# Altium PCB PCB1.PcbDoc (part 3 of 5) (continued)
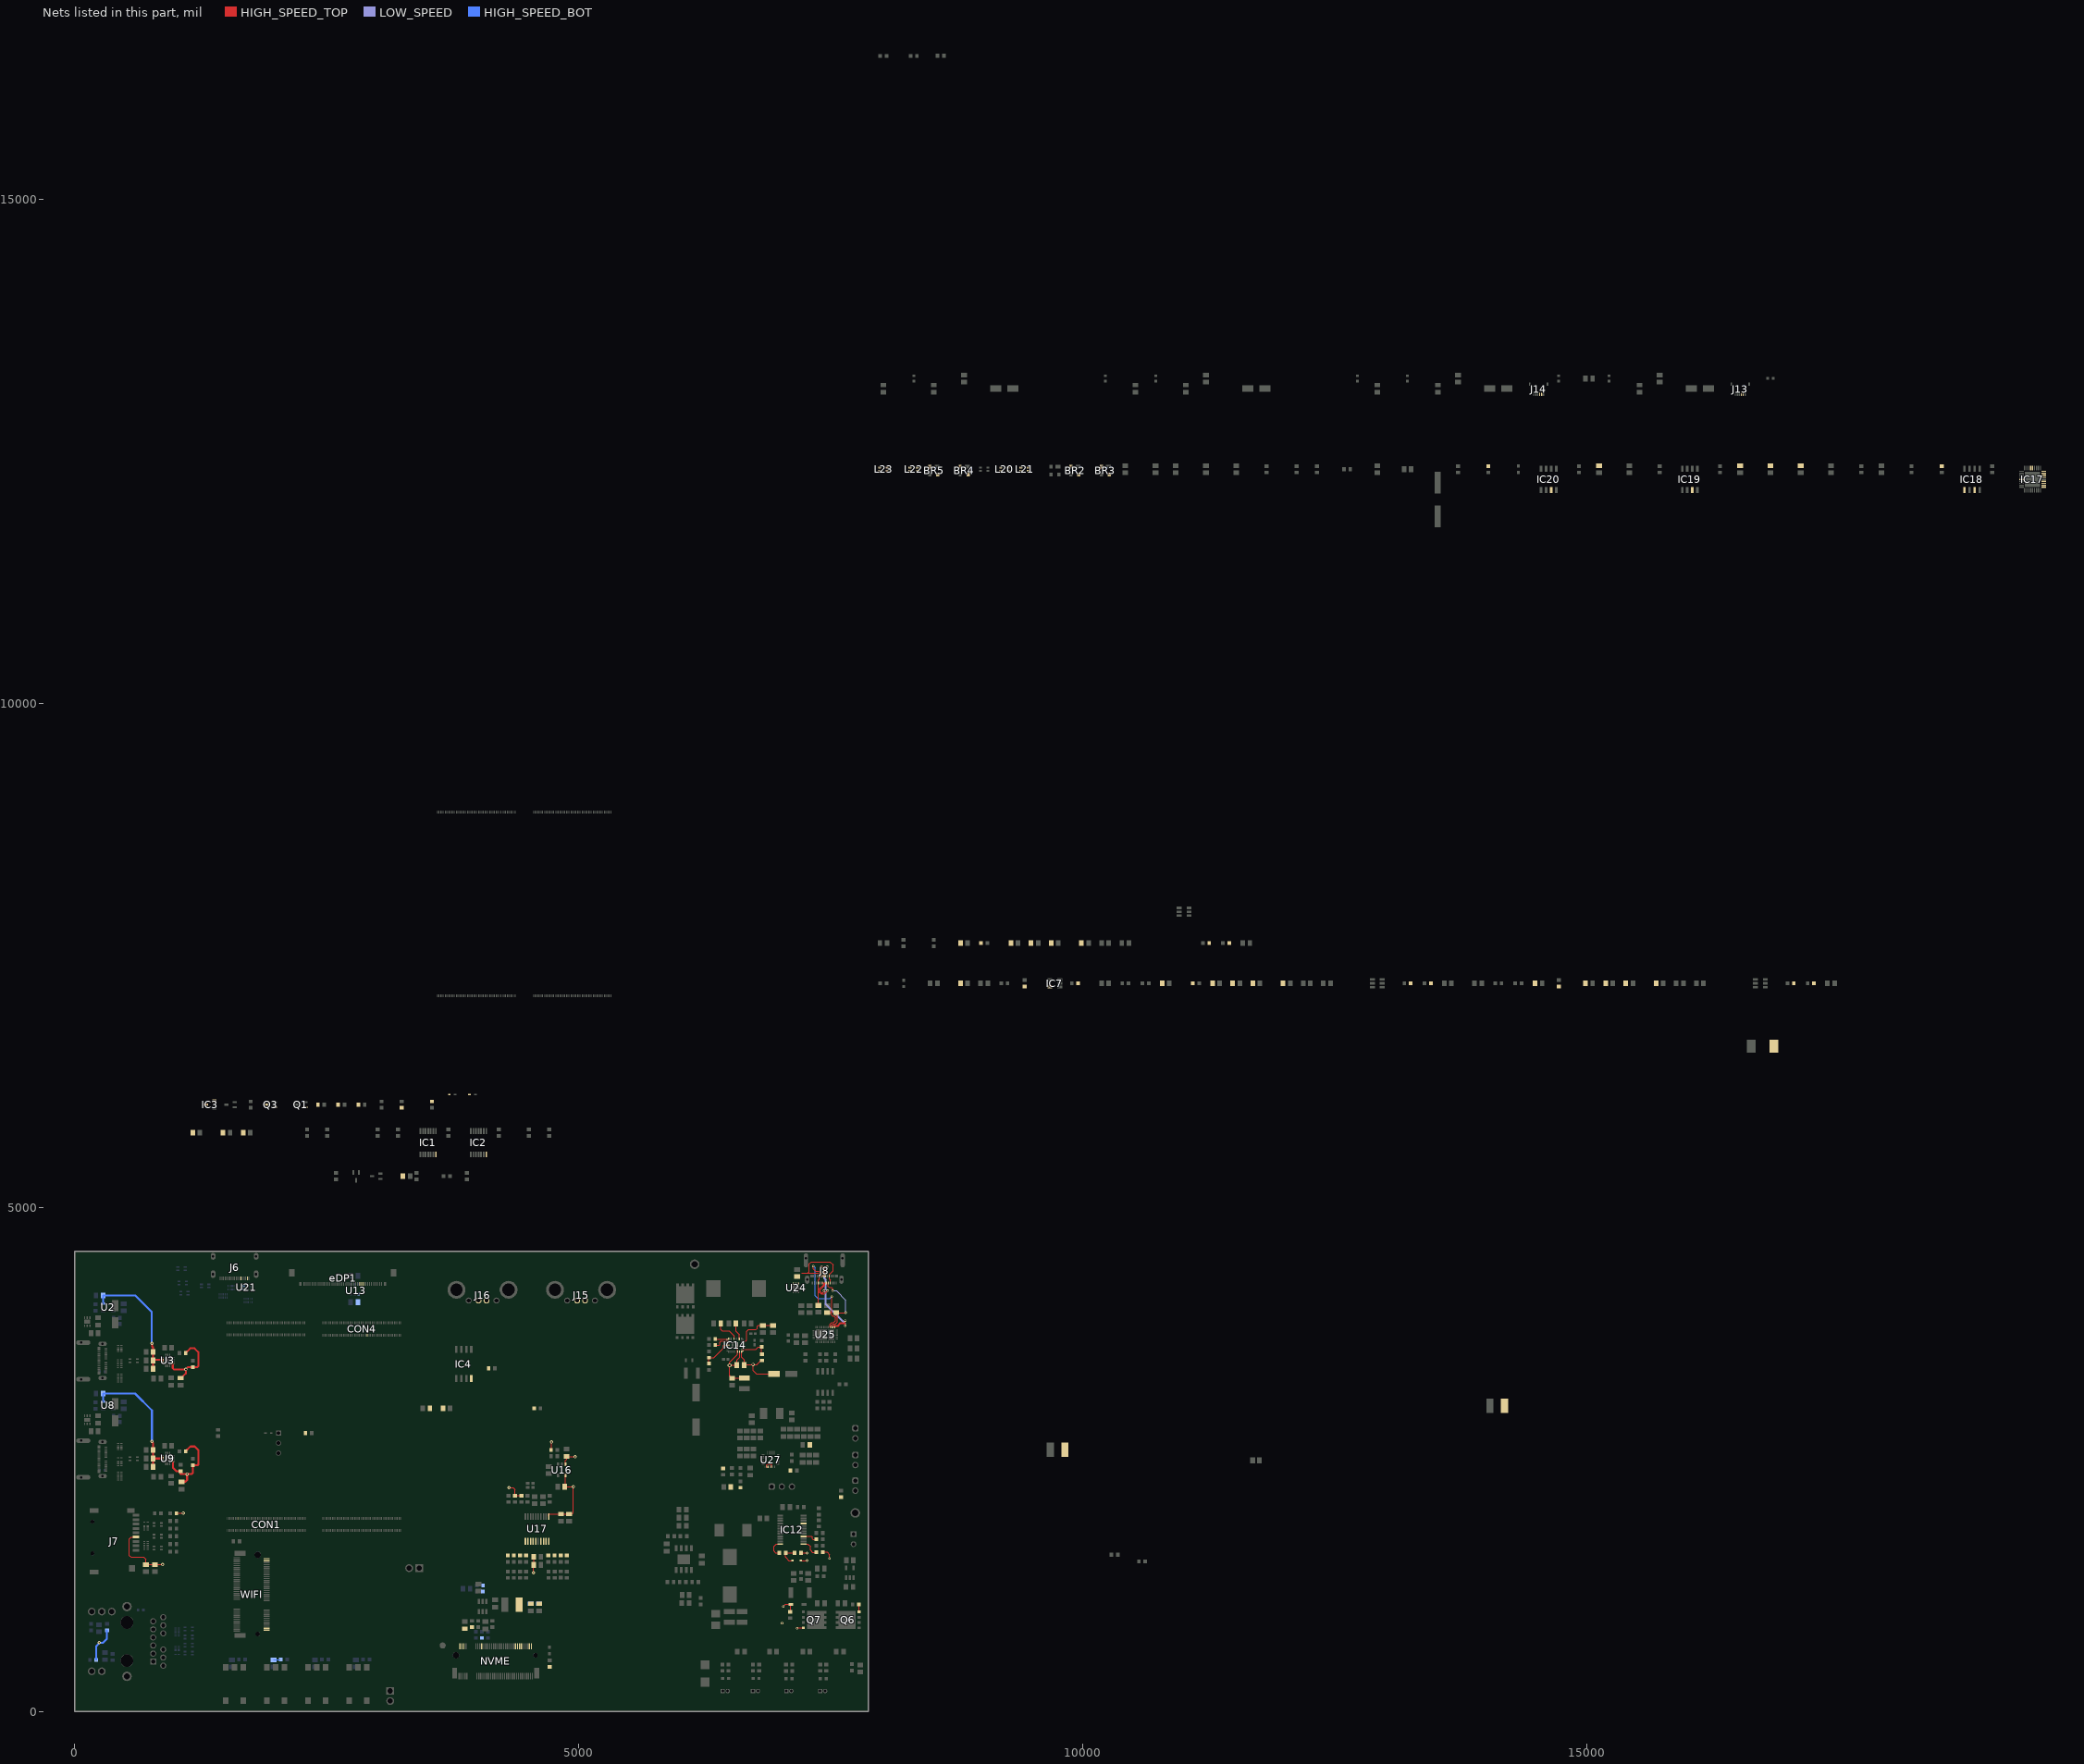
[diagram p9: the nets of this part, all layers, seen from the top]
## Part data (continued)
R113: library part ERJ-3EKF1373V, "137K Ohm 1% 1/10W Res Thick Film 0603 ±100ppm/°C SMD Punched Carrier T/R", Case Code (Imperial)=0603, Case Code (Metric)=1608, Manufacturer=Panasonic, Max Operating Temperature=155°C, Max Power Dissipation=100mW, Min Operating Temperature=-55°C, Mouser Part Number=667-ERJ-3EKF1373V, Package Quantity=1, Ratings=AEC-Q200, Resistance Tolerance=1%, Resistor Type="Thick Film", Supplier Part Number=P137KHCT-ND, Temperature Coefficient=100ppm/°C, Voltage Rating=75V, Voltage Rating (DC)=50V, Arrow Part Number=ERJ-3EKF1373V, Arrow Price/Stock=https://www.arrow.com/en/products/erj-3ekf1373v/panasonic, Case/Package=0603, Category="Chip SMD Resistors", ComponentLink1Description=https://datasheet.ciiva.com/3883/3984280s8821682n1386-3883650.pdf?src-supplier=Arrow+Electronics, ComponentLink1URL=https://datasheet.ciiva.com/3883/3984280s8821682n1386-3883650.pdf?src-supplier=Arrow+Electronics, ComponentLink2Description=https://datasheet.ciiva.com/9185/aoa0000ce2-9185790.pdf?src-supplier=Avnet, ComponentLink2URL=https://datasheet.ciiva.com/9185/aoa0000ce2-9185790.pdf?src-supplier=Avnet, ComponentLink3Description=https://datasheet.ciiva.com/16788/70260748-16788101.pdf?src-supplier=Allied+Electronics, ComponentLink3URL=https://datasheet.ciiva.com/16788/70260748-16788101.pdf?src-supplier=Allied+Electronics, ComponentLink4Description=https://datasheet.ciiva.com/16762/70260748-16762069.pdf?src-supplier=Allied+Electronics, ComponentLink4URL=https://datasheet.ciiva.com/16762/70260748-16762069.pdf?src-supplier=Allied+Electronics, ComponentLink5Description=https://datasheet.ciiva.com/28594/1678782-28594598.pdf?src-supplier=Element14, ComponentLink5URL=https://datasheet.ciiva.com/28594/1678782-28594598.pdf?src-supplier=Element14, ComponentLink6Description=https://datasheet.ciiva.com/28692/1678782-28692248.pdf?src-supplier=Element14, ComponentLink6URL=https://datasheet.ciiva.com/28692/1678782-28692248.pdf?src-supplier=Element14, ComponentLink7Description=https://datasheet.ciiva.com/46389/426256-46389183.pdf?src-supplier=Element14, ComponentLink7URL=https://datasheet.ciiva.com/46389/426256-46389183.pdf?src-supplier=Element14, Contact Plating=Tin, Datasheet Link=http://industrial.panasonic.com/cdbs/www-data/pdf/RDA0000/AOA0000C86.pdf, Features="Automotive AEC-Q200", Height=0.55mm, Lead Free=5697LeadFree, Length=0.063inch, Manufacturer Part Number=ERJ-3EKF1373V, Manufacturer_Name=Panasonic, Manufacturer_Part_Number=ERJ-3EKF1373V, Mounting Technology="Surface Mount", Mouser Price/Stock=https://www.mouser.com/Search/Refine.aspx?Keyword=667-ERJ-3EKF1373V, Number of Terminations=2, Packaging="Tape and Reel", Power Rating=100mW, Pricing="1=0.1, 10=0.035, 100=0.0177, 1000=0.01014, 2500=0.00888 (USD)", Reach SVHC Compliant=No, RoHS=Yes, RoHS Compliant=Yes, Series=ERJ, Stock=786997, Supplier=Digikey, Termination=SMD/SMT, Tolerance=1%, Width=0.8mm
R115: library part ERJ-3GEYJ303V, "30K Ohm 5% 0.1W(1/10W) +/-200ppm/ßC Res Thick Film 0603  SMD Automotive T/R", Case Code (Imperial)=0603, Case Code (Metric)=1608, Manufacturer=Panasonic, Max Operating Temperature=155°C, Max Power Dissipation=100mW, Min Operating Temperature=-55°C, Mouser Part Number=667-ERJ-3GEYJ303V, Package Quantity=1, Resistance Tolerance=5%, Resistor Type="Thick Film", Supplier Part Number=P30KGCT-ND, Temperature Coefficient=200ppm/°C, Voltage Rating=75V, Case/Package=0603, Category="Chip SMD Resistors", ComponentLink1Description=https://datasheet.ciiva.com/11821/0900766b80f806dd-11821446.pdf?src-supplier=Rs, ComponentLink1URL=https://datasheet.ciiva.com/11821/0900766b80f806dd-11821446.pdf?src-supplier=Rs, ComponentLink2Description=https://datasheet.ciiva.com/5917/1500035-5917845.pdf?src-supplier=Farnell, ComponentLink2URL=https://datasheet.ciiva.com/5917/1500035-5917845.pdf?src-supplier=Farnell, ComponentLink3Description=https://datasheet.ciiva.com/43460/1500035-43460749.pdf?src-supplier=Farnell, ComponentLink3URL=https://datasheet.ciiva.com/43460/1500035-43460749.pdf?src-supplier=Farnell, ComponentLink4Description=https://datasheet.ciiva.com/46387/1500035-46387151.pdf?src-supplier=Element14, ComponentLink4URL=https://datasheet.ciiva.com/46387/1500035-46387151.pdf?src-supplier=Element14, ComponentLink5Description=https://datasheet.ciiva.com/30079/4aoa0000ce1-30079549.pdf?src-supplier=Onlinecomponents.com, ComponentLink5URL=https://datasheet.ciiva.com/30079/4aoa0000ce1-30079549.pdf?src-supplier=Onlinecomponents.com, ComponentLink6Description=https://datasheet.ciiva.com/28676/1678796-28676989.pdf?src-supplier=Element14, ComponentLink6URL=https://datasheet.ciiva.com/28676/1678796-28676989.pdf?src-supplier=Element14, ComponentLink7Description=https://datasheet.ciiva.com/16769/70255313-16769897.pdf?src-supplier=Allied+Electronics, ComponentLink7URL=https://datasheet.ciiva.com/16769/70255313-16769897.pdf?src-supplier=Allied+Electronics, Construction=Rectangular, Contact Plating=Tin, Datasheet Link=http://docs-europe.electrocomponents.com/webdocs/13ba/0900766b813ba21b.pdf, Depth=0.8mm, Features="Automotive AEC-Q200", Height=0.55mm, Lead Free=5697LeadFree, Length=1.6mm, Manufacturer Part Number=ERJ-3GEYJ303V, Manufacturer_Name=Panasonic, Manufacturer_Part_Number=ERJ-3GEYJ303V, Military Standard=Not, Mounting Technology="Surface Mount", Mouser Price/Stock=https://www.mouser.co.uk/ProductDetail/Panasonic/ERJ-3GEYJ303V?qs=4WZYzuGhm5oupAe5agOIlw%3D%3D, Number of Terminations=2, Packaging="Tape and Reel", Power Rating=100mW, Pricing="1=0.1, 10=0.033, 50=0.02, 100=0.0165, 500=0.01096, 1000=0.00939 (USD)", Reach SVHC Compliant=No, RoHS=Yes, RoHS Compliant=Yes, Series=ERJ, Stock=293565, Supplier=Digikey, Technology="THICK FILM", Termination=SMD/SMT, Tolerance=5%, Voltage Rating (DC)=75V, Width=0.8mm
R116: library part ERJ-3EKF5231V, "5.23K Ohm 1% 1/10W Res Thick Film 0603+/-100ppm/ßC Molded SMD Punched Carrier T/R", Case Code (Imperial)=0603, Case Code (Metric)=1608, Manufacturer=Panasonic, Max Operating Temperature=155°C, Max Power Dissipation=100mW, Min Operating Temperature=-55°C, Mouser Part Number=667-ERJ-3EKF5231V, Package Quantity=1, Resistance Tolerance=1%, Resistor Type="Thick Film", Supplier Part Number=P5.23KHCT-ND, Temperature Coefficient=100ppm/°C, Voltage Rating=75V, Voltage Rating (DC)=50V, Arrow Part Number=ERJ-3EKF5231V, Arrow Price/Stock=https://www.arrow.com/en/products/erj-3ekf5231v/panasonic, Case/Package=0603, Category="Chip SMD Resistors", ComponentLink1Description=https://datasheet.ciiva.com/5972/426256-5972876.pdf?src-supplier=Farnell, ComponentLink1URL=https://datasheet.ciiva.com/5972/426256-5972876.pdf?src-supplier=Farnell, ComponentLink2Description=https://datasheet.ciiva.com/43460/426256-43460517.pdf?src-supplier=Farnell, ComponentLink2URL=https://datasheet.ciiva.com/43460/426256-43460517.pdf?src-supplier=Farnell, ComponentLink3Description=https://datasheet.ciiva.com/9117/aoa0000ce2-9117166.pdf?src-supplier=Avnet, ComponentLink3URL=https://datasheet.ciiva.com/9117/aoa0000ce2-9117166.pdf?src-supplier=Avnet, ComponentLink4Description=https://datasheet.ciiva.com/28685/1678782-28685340.pdf?src-supplier=Element14, ComponentLink4URL=https://datasheet.ciiva.com/28685/1678782-28685340.pdf?src-supplier=Element14, ComponentLink5Description=https://datasheet.ciiva.com/46389/426256-46389320.pdf?src-supplier=Element14, ComponentLink5URL=https://datasheet.ciiva.com/46389/426256-46389320.pdf?src-supplier=Element14, ComponentLink6Description=https://datasheet.ciiva.com/24027/aoa0000ce2-24027445.pdf?src-supplier=Mouser, ComponentLink6URL=https://datasheet.ciiva.com/24027/aoa0000ce2-24027445.pdf?src-supplier=Mouser, ComponentLink7Description=https://datasheet.ciiva.com/16788/70260748-16788534.pdf?src-supplier=Allied+Electronics, ComponentLink7URL=https://datasheet.ciiva.com/16788/70260748-16788534.pdf?src-supplier=Allied+Electronics, ComponentLink8Description=https://datasheet.ciiva.com/16763/70260748-16763706.pdf?src-supplier=Allied+Electronics, ComponentLink8URL=https://datasheet.ciiva.com/16763/70260748-16763706.pdf?src-supplier=Allied+Electronics, Construction=Rectangular, Contact Plating=Tin, Datasheet Link=http://industrial.panasonic.com/cdbs/www-data/pdf/RDA0000/AOA0000C86.pdf, Depth=0.8mm, Features="Automotive AEC-Q200", Height=0.55mm, Lead Free="Lead Free", Length=1.6mm, Manufacturer Part Number=ERJ-3EKF5231V, Manufacturer_Name=Panasonic, Manufacturer_Part_Number=ERJ-3EKF5231V, Military Standard=Not, Mounting Technology="Surface Mount", Mouser Price/Stock=https://www.mouser.co.uk/ProductDetail/Panasonic/ERJ-3EKF5231V?qs=LRVwtJ3DVIAOCclJH%2FYgYQ%3D%3D, Number of Terminations=2, Packaging="Tape and Reel", Power Rating=100mW, Pricing="1=0.1, 10=0.035, 100=0.0177, 1000=0.01014, 2500=0.00847 (USD)", Radiation Hardening=No, Reach SVHC Compliant=No, RoHS=Yes, RoHS Compliant=Yes, Series=ERJ, Stock=72624, Supplier=Digikey, Termination=SMD/SMT, Tolerance=1%, Width=0.8mm
R122 R124: library part ERA-3ARW512V, "5.1K Ohm 0.05% 0.1W ±10ppm/°C Molded Res Thin Film 0603 SMD Punched Carrier T/R", Case Code (Imperial)=0603, Case Code (Metric)=1608, Manufacturer=Panasonic, Max Operating Temperature=155°C, Max Power Dissipation=100mW, Min Operating Temperature=-55°C, Mouser Part Number=667-ERA-3ARW512V, Package Quantity=1, Supplier Part Number=P5.1KBECT-ND, Temperature Coefficient=10ppm/°C, Tolerance=0.05%, Voltage Rating=75V, Case/Package=0603, Category="Chip SMD Resistors", ComponentLink1Description=https://media.digikey.com/pdf/Data%20Sheets/Panasonic%20Resistors%20Thermistors%20PDFs/ERA_Series_LE.pdf?src-supplier=Digikey, ComponentLink1URL=https://media.digikey.com/pdf/Data%20Sheets/Panasonic%20Resistors%20Thermistors%20PDFs/ERA_Series_LE.pdf?src-supplier=Digikey, ComponentLink2Description=http://www.onlinecomponents.com/datasheet/era-3arw512v.aspx?p=44480300&src-supplier=Onlinecomponents.com, ComponentLink2URL=http://www.onlinecomponents.com/datasheet/era-3arw512v.aspx?p=44480300&src-supplier=Onlinecomponents.com, ComponentLink3Description=http://www.alliedelec.com/m/d/b6b0537e86f421aa7f5975bb1d8f429a.pdf?src-supplier=Allied+Electronics, ComponentLink3URL=http://www.alliedelec.com/m/d/b6b0537e86f421aa7f5975bb1d8f429a.pdf?src-supplier=Allied+Electronics, ComponentLink4Description=http://uk.rs-online.com/webdocs/1440/0900766b814408ab.pdf?src-supplier=Rs, ComponentLink4URL=http://uk.rs-online.com/webdocs/1440/0900766b814408ab.pdf?src-supplier=Rs, ComponentLink5Description=http://www.mouser.com/ds/2/315/AOA0000C237-944224.pdf?src-supplier=Mouser, ComponentLink5URL=http://www.mouser.com/ds/2/315/AOA0000C237-944224.pdf?src-supplier=Mouser, ComponentLink6Description=https://industrial.panasonic.com/cdbs/www-data/pdf/RDM0000/AOA0000C307.pdf?src-supplier=Digikey, ComponentLink6URL=https://industrial.panasonic.com/cdbs/www-data/pdf/RDM0000/AOA0000C307.pdf?src-supplier=Digikey, ComponentLink7Description=http://industrial.panasonic.com/www-data/pdf/AOA0000/AOA0000CE26.pdf?src-supplier=Avnet, ComponentLink7URL=http://industrial.panasonic.com/www-data/pdf/AOA0000/AOA0000CE26.pdf?src-supplier=Avnet, ComponentLink8Description=https://datasheet.octopart.com/ERA-3ARW512V-Panasonic-datasheet-33006989.pdf?src-supplier=Electro+Sonic, ComponentLink8URL=https://datasheet.octopart.com/ERA-3ARW512V-Panasonic-datasheet-33006989.pdf?src-supplier=Electro+Sonic, ComponentLink9Description=https://datasheet.octopart.com/ERA-3ARW512V-Panasonic-datasheet-154766165.pdf?src-supplier=Master+Electronics, ComponentLink9URL=https://datasheet.octopart.com/ERA-3ARW512V-Panasonic-datasheet-154766165.pdf?src-supplier=Master+Electronics, Contact Plating=Tin, Datasheet Link=https://industrial.panasonic.com/cdbs/www-data/pdf/RDM0000/AOA0000C307.pdf, Depth=0.8mm, Features="Automotive AEC-Q200", Height=0.55mm, Lead Free="Lead Free", Length=1.6mm, Manufacturer Part Number=ERA-3ARW512V, Manufacturer_Name=Panasonic, Manufacturer_Part_Number=ERA-3ARW512V, Mounting Technology="Surface Mount", Mouser Price/Stock=https://www.mouser.co.uk/ProductDetail/Panasonic/ERA-3ARW512V?qs=ob%252BdNz2%252BYEinU%2F%252BGAvZ4EA%3D%3D, Number of Terminations=2, Packaging="Tape and Reel", Power Rating=100mW, Pricing="1=0.47, 10=0.394, 50=0.345, 100=0.3263, 500=0.28562, 1000=0.2461 (USD)", RoHS=Yes, RoHS Compliant=Yes, Series=ERA-3A, Stock=12588, Supplier=Digikey, Technology="METAL FILM", Termination=SMD/SMT, Voltage Rating (DC)=75V, Weight=7.1E-05oz, Width=0.8mm
R125 R172: library part ERJ-3GEYJ105V, "1M Ohm Res Thick Film 0603 5% 0.1W(1/10W) +/-200ppm/ßC SMD Automotive T/R", Case Code (Imperial)=0603, Case Code (Metric)=1608, Manufacturer=Panasonic, Max Operating Temperature=155°C, Max Power Dissipation=100mW, Min Operating Temperature=-55°C, Mouser Part Number=667-ERJ-3GEYJ105V, Package Quantity=1, Resistance Tolerance=5%, Resistor Type="Thick Film", Supplier Part Number=P1.0MGCT-ND, Temperature Coefficient=200ppm/°C, Voltage Rating=75V, Arrow Part Number=ERJ-3GEYJ105V, Arrow Price/Stock=https://www.arrow.com/en/products/erj-3geyj105v/panasonic?region=nac, Case/Package=0603, Category="Chip SMD Resistors", ComponentLink1Description=https://datasheet.ciiva.com/11821/0900766b80f806dd-11821431.pdf?src-supplier=Rs, ComponentLink1URL=https://datasheet.ciiva.com/11821/0900766b80f806dd-11821431.pdf?src-supplier=Rs, ComponentLink2Description=https://datasheet.ciiva.com/24160/aoa0000ce1-37422-24160165.pdf?src-supplier=Mouser, ComponentLink2URL=https://datasheet.ciiva.com/24160/aoa0000ce1-37422-24160165.pdf?src-supplier=Mouser, ComponentLink3Description=https://datasheet.ciiva.com/9117/aoa0000ce1-9117049.pdf?src-supplier=Avnet, ComponentLink3URL=https://datasheet.ciiva.com/9117/aoa0000ce1-9117049.pdf?src-supplier=Avnet, Construction=Rectangular, Contact Plating=Tin, Datasheet Link=http://docs-europe.electrocomponents.com/webdocs/13ba/0900766b813ba21b.pdf, Depth=0.8mm, Features="Automotive AEC-Q200", Height=0.55mm, Lead Free="Lead Free", Length=1.6mm, Manufacturer Part Number=ERJ-3GEYJ105V, Manufacturer_Name=Panasonic, Manufacturer_Part_Number=ERJ-3GEYJ105V, Military Standard=Not, Mounting Technology="Surface Mount", Mouser Price/Stock=https://www.mouser.co.uk/ProductDetail/Panasonic/ERJ-3GEYJ105V?qs=66DK8nO8gJAFuT6JGu2rQw%3D%3D, Number of Terminations=2, Packaging="Tape and Reel", Power Rating=100mW, Pricing="1=0.1, 10=0.033, 50=0.02, 100=0.0165, 500=0.01096, 1000=0.00939 (USD)", Radiation Hardening=No, Reach SVHC Compliant=Unknown, RoHS=Yes, RoHS Compliant=Yes, Series=ERJ, Stock=339054, Supplier=Digikey, Technology="THICK FILM", Termination=SMD/SMT, Tolerance=5%, Weight=7.1E-05oz, Width=0.8mm
R138: library part "Resistor 2010", "Package 2010", Arrow Part Number=CRCW20100000Z0EFHP, Manufacturer_Name=Vishay, Mouser Part Number=71-CRCW20100000Z0EFH, Arrow Price/Stock=https://www.arrow.com/en/products/crcw20100000z0efhp/vishay?region=nac, Datasheet Link=http://www.vishay.com/docs/20043/crcwhpe3.pdf, Height=0.7mm, Manufacturer_Part_Number=CRCW20100000Z0EFHP, Mouser Price/Stock=https://www.mouser.co.uk/ProductDetail/Vishay-Dale/CRCW20100000Z0EFHP?qs=k2%2FDWSARqgGSaNuPGbWcpw%3D%3D
R140: library part ERJ-U03J106V, "10Mohm 5%  SMD 0603   Anti-Sulfur AEC-Q200", Case Code (Imperial)=0603, Case Code (Metric)=1608, Current Rating=1A, Manufacturer=Panasonic, Max Operating Temperature=155°C, Min Operating Temperature=-55°C, Mouser Part Number=667-ERJ-U03J106V, Package Quantity=5000, Power Rating=100mW, Supplier Part Number=10-ERJ-U03J106VCT-ND, Tolerance=5%, Voltage Rating=75V, Case/Package=0603, Category="Chip SMD Resistors", ComponentLink1Description=https://datasheet.ciiva.com/24170/ras-erj-u-267552-24170485.pdf?src-supplier=Mouser, ComponentLink1URL=https://datasheet.ciiva.com/24170/ras-erj-u-267552-24170485.pdf?src-supplier=Mouser, Datasheet Link=http://industrial.panasonic.com/cdbs/www-data/pdf/RDP0000/AOA0000C334.pdf, Height=0.55mm, Length=1.6mm, Manufacturer Part Number=ERJ-U03J106V, Manufacturer_Name=Panasonic, Manufacturer_Part_Number=ERJ-U03J106V, Mouser Price/Stock=https://www.mouser.co.uk/ProductDetail/Panasonic/ERJ-U03J106V?qs=pdFhdcvjjgjSJSqKhYCfQg%3D%3D, Packaging="Tape and Reel", Pricing="1=0.11, 10=0.053, 50=0.0336, 100=0.0282, 500=0.0197, 1000=0.01726 (USD)", RoHS=Yes, Series=ERJ-U03, Stock=15102, Supplier=Digikey, Termination=SMD/SMT, Weight=7.1E-05oz, Width=0.8mm
R141: library part ERJ-3GEYJ305V, "3M Ohm 5% 1/10W Res Thick Film 0603 -400ppm/", Case Code (Imperial)=0603, Case Code (Metric)=1608, Manufacturer=Panasonic, Max Operating Temperature=155°C, Max Power Dissipation=100mW, Min Operating Temperature=-55°C, Mouser Part Number=667-ERJ-3GEYJ305V, Package Quantity=1, Resistance Tolerance=5%, Resistor Type="Thick Film", Supplier Part Number=P3.0MGCT-ND, Temperature Coefficient=150ppm/°C, Voltage Rating=75V, Case/Package=0603, Category="Chip SMD Resistors", ComponentLink1Description=https://datasheet.ciiva.com/43460/1500035-43460793.pdf?src-supplier=Farnell, ComponentLink1URL=https://datasheet.ciiva.com/43460/1500035-43460793.pdf?src-supplier=Farnell, ComponentLink2Description=https://datasheet.ciiva.com/24124/aoa0000ce1-37422-24124297.pdf?src-supplier=Mouser, ComponentLink2URL=https://datasheet.ciiva.com/24124/aoa0000ce1-37422-24124297.pdf?src-supplier=Mouser, ComponentLink3Description=https://datasheet.ciiva.com/46377/1500035-46377147.pdf?src-supplier=Element14, ComponentLink3URL=https://datasheet.ciiva.com/46377/1500035-46377147.pdf?src-supplier=Element14, ComponentLink4Description=https://datasheet.ciiva.com/30248/4aoa0000ce1-30248491.pdf?src-supplier=Onlinecomponents.com, ComponentLink4URL=https://datasheet.ciiva.com/30248/4aoa0000ce1-30248491.pdf?src-supplier=Onlinecomponents.com, ComponentLink5Description=https://datasheet.ciiva.com/28693/1678796-28693385.pdf?src-supplier=Element14, ComponentLink5URL=https://datasheet.ciiva.com/28693/1678796-28693385.pdf?src-supplier=Element14, ComponentLink6Description=https://datasheet.ciiva.com/16767/70255313-16767708.pdf?src-supplier=Allied+Electronics, ComponentLink6URL=https://datasheet.ciiva.com/16767/70255313-16767708.pdf?src-supplier=Allied+Electronics, ComponentLink7Description=https://datasheet.ciiva.com/16788/70255313-16788695.pdf?src-supplier=Allied+Electronics, ComponentLink7URL=https://datasheet.ciiva.com/16788/70255313-16788695.pdf?src-supplier=Allied+Electronics, Construction=Rectangular, Contact Plating=Tin, Datasheet Link=http://docs-europe.electrocomponents.com/webdocs/13ba/0900766b813ba21b.pdf, Depth=0.8mm, Features="Automotive AEC-Q200", Height=0.55mm, Length=1.6mm, Manufacturer Part Number=ERJ-3GEYJ305V, Manufacturer_Name=Panasonic, Manufacturer_Part_Number=ERJ-3GEYJ305V, Military Standard=Not, Mounting Technology="Surface Mount", Number of Terminations=2, Packaging="Tape and Reel", Power Rating=100mW, Pricing="1=0.1, 10=0.033, 50=0.0202, 100=0.0166, 500=0.01102, 1000=0.00944 (USD)", Reach SVHC Compliant=No, RoHS=Yes, RoHS Compliant=Yes, Series=ERJ, Stock=29466, Supplier=Digikey, Technology="THICK FILM", Termination=SMD/SMT, Tolerance=5%, Weight=7.1E-05oz, Width=0.8mm
R142: library part ERJ-3EKF4703V, "470K Ohm 1% 0.1W  Res Thick Film 0603 ±100ppm/°C Molded SMD Punched Carrier T/R", Case Code (Imperial)=0603, Case Code (Metric)=1608, Manufacturer=Panasonic, Max Operating Temperature=155°C, Max Power Dissipation=100mW, Max Supply Voltage=3.6V, Min Operating Temperature=-55°C, Min Supply Voltage=1.65V, Mouser Part Number=667-ERJ-3EKF4703V, Nominal Supply Current=15mA, Nominal Supply Voltage (DC)=1.8V, Package Quantity=1, Resistance Tolerance=1%, Resistor Type="Thick Film", Supplier Part Number=P470KHCT-ND, Temperature Coefficient=100ppm/°C, Voltage Rating=75V, Arrow Part Number=ERJ-3EKF4703V, Arrow Price/Stock=https://www.arrow.com/en/products/erj-3ekf4703v/panasonic?utm_currency=USD&region=nac, Case/Package=0603, Category="Chip SMD Resistors", ComponentLink1Description=https://datasheet.ciiva.com/9117/aoa0000ce2-9117093.pdf?src-supplier=Avnet, ComponentLink1URL=https://datasheet.ciiva.com/9117/aoa0000ce2-9117093.pdf?src-supplier=Avnet, ComponentLink2Description=https://datasheet.ciiva.com/9181/aoa0000ce2-9181725.pdf?src-supplier=Avnet, ComponentLink2URL=https://datasheet.ciiva.com/9181/aoa0000ce2-9181725.pdf?src-supplier=Avnet, ComponentLink3Description=https://datasheet.ciiva.com/22687/1678782-22687437.pdf?src-supplier=Element14, ComponentLink3URL=https://datasheet.ciiva.com/22687/1678782-22687437.pdf?src-supplier=Element14, ComponentLink4Description=https://datasheet.ciiva.com/16759/70260748-16759934.pdf?src-supplier=Allied+Electronics, ComponentLink4URL=https://datasheet.ciiva.com/16759/70260748-16759934.pdf?src-supplier=Allied+Electronics, ComponentLink5Description=https://datasheet.ciiva.com/16786/70260748-16786907.pdf?src-supplier=Allied+Electronics, ComponentLink5URL=https://datasheet.ciiva.com/16786/70260748-16786907.pdf?src-supplier=Allied+Electronics, ComponentLink6Description=https://datasheet.ciiva.com/46444/1678782-46444813.pdf?src-supplier=Element14, ComponentLink6URL=https://datasheet.ciiva.com/46444/1678782-46444813.pdf?src-supplier=Element14, ComponentLink7Description=https://datasheet.ciiva.com/46444/1678782-46444814.pdf?src-supplier=Element14, ComponentLink7URL=https://datasheet.ciiva.com/46444/1678782-46444814.pdf?src-supplier=Element14, ComponentLink8Description=https://datasheet.ciiva.com/7836/aoa0000ce2-7836505.pdf?src-supplier=Element14, ComponentLink8URL=https://datasheet.ciiva.com/7836/aoa0000ce2-7836505.pdf?src-supplier=Element14, Construction=Rectangular, Contact Plating=Tin, Datasheet Link=http://industrial.panasonic.com/cdbs/www-data/pdf/RDA0000/AOA0000C86.pdf, Depth=0.8mm, Features="Automotive AEC-Q200", Height=0.55mm, Interface=SPI, Lead Free="Lead Free", Length=1.6mm, Manufacturer Part Number=ERJ-3EKF4703V, Manufacturer_Name=Panasonic, Manufacturer_Part_Number=ERJ-3EKF4703V, Military Standard=Not, Mounting Technology="Surface Mount", Mouser Price/Stock=https://www.mouser.co.uk/ProductDetail/Panasonic/ERJ-3EKF4703V?qs=MVjVSMjNRMpDf0g74YJtlg%3D%3D, Number of Terminations=2, Packaging="Tape and Reel", Power Rating=100mW, Pricing="1=0.1, 10=0.035, 100=0.0177, 1000=0.01014, 2500=0.00847 (USD)", Radiation Hardening=No, Reach SVHC Compliant=No, RoHS=Yes, RoHS Compliant=Yes, Series=ERJ, Stock=160774, Supplier=Digikey, Termination=SMD/SMT, Tolerance=1%, Voltage Rating (DC)=75V, Width=0.8mm
R144: library part ERJ-3EKF5493V, "549 kOhm, ± 1%, 100 mW, 0603 [1608 Metric], Thick Film, Precision", Case Code (Imperial)=0603, Case Code (Metric)=1608, Manufacturer=Panasonic, Max Operating Temperature=155°C, Max Power Dissipation=100mW, Min Operating Temperature=-55°C, Package Quantity=1, Resistance Tolerance=1%, Resistor Type="Thick Film", Supplier Part Number=P549KHCT-ND, Temperature Coefficient=100ppm/°C, Voltage Rating=75V, Voltage Rating (DC)=50V, Case/Package=0603, Category="Chip SMD Resistors", ComponentLink1Description=https://datasheet.ciiva.com/5959/426256-5959704.pdf?src-supplier=Farnell, ComponentLink1URL=https://datasheet.ciiva.com/5959/426256-5959704.pdf?src-supplier=Farnell, ComponentLink2Description=https://datasheet.ciiva.com/9181/aoa0000ce2-9181213.pdf?src-supplier=Avnet, ComponentLink2URL=https://datasheet.ciiva.com/9181/aoa0000ce2-9181213.pdf?src-supplier=Avnet, ComponentLink3Description=https://datasheet.ciiva.com/24071/aoa0000ce2-24071311.pdf?src-supplier=Mouser, ComponentLink3URL=https://datasheet.ciiva.com/24071/aoa0000ce2-24071311.pdf?src-supplier=Mouser, ComponentLink4Description=https://datasheet.ciiva.com/28564/1678782-28564261.pdf?src-supplier=Element14, ComponentLink4URL=https://datasheet.ciiva.com/28564/1678782-28564261.pdf?src-supplier=Element14, ComponentLink5Description=https://datasheet.ciiva.com/28683/1678782-28683215.pdf?src-supplier=Element14, ComponentLink5URL=https://datasheet.ciiva.com/28683/1678782-28683215.pdf?src-supplier=Element14, ComponentLink6Description=https://datasheet.ciiva.com/46388/426256-46388763.pdf?src-supplier=Element14, ComponentLink6URL=https://datasheet.ciiva.com/46388/426256-46388763.pdf?src-supplier=Element14, ComponentLink7Description=https://datasheet.ciiva.com/16766/70260748-16766054.pdf?src-supplier=Allied+Electronics, ComponentLink7URL=https://datasheet.ciiva.com/16766/70260748-16766054.pdf?src-supplier=Allied+Electronics, ComponentLink8Description=https://datasheet.ciiva.com/16766/70260748-16766423.pdf?src-supplier=Allied+Electronics, ComponentLink8URL=https://datasheet.ciiva.com/16766/70260748-16766423.pdf?src-supplier=Allied+Electronics, Construction=Rectangular, Contact Plating=Tin, Depth=0.8mm, Height=0.45mm, Lead Free="Contains Lead", Length=1.6mm, Manufacturer Part Number=ERJ-3EKF5493V, Mfr_Name=Panasonic, Military Standard=Not, Mounting Technology="Surface Mount", Number of Terminations=2, Packaging="Tape and Reel", Power Rating=100mW, Pricing="1=0.1, 10=0.035, 100=0.0177, 1000=0.01014, 2500=0.00847 (USD)", Radiation Hardening=No, Reach SVHC Compliant=No, RoHS=Yes, RoHS Compliant=Yes, Series=ERJ, Stock=30224, Supplier=Digikey, Technology="THICK FILM", Termination=SMD/SMT, Tolerance=1%, Width=0.8mm
R145 R146: library part ERJ-3GEYJ1R0V, "1 Ohm 5% 1/10W  Res Thick Film 0603 -100ppm/", Case Code (Imperial)=0603, Case Code (Metric)=1608, Manufacturer=Panasonic, Max Operating Temperature=155°C, Max Power Dissipation=100mW, Min Operating Temperature=-55°C, Mouser Part Number=667-ERJ-3GEYJ1R0V, Package Quantity=1, Resistance Tolerance=5%, Resistor Type="Thick Film", Supplier Part Number=P1.0GCT-ND, Temperature Coefficient=600ppm/°C, Voltage Rating=75V, Voltage Rating (DC)=50V, Case/Package=0603, Category="Chip SMD Resistors", ComponentLink1Description=https://datasheet.ciiva.com/11821/0900766b80f806dd-11821429.pdf?src-supplier=Rs, ComponentLink1URL=https://datasheet.ciiva.com/11821/0900766b80f806dd-11821429.pdf?src-supplier=Rs, ComponentLink2Description=https://datasheet.ciiva.com/6138/1678796-6138719.pdf?src-supplier=Farnell, ComponentLink2URL=https://datasheet.ciiva.com/6138/1678796-6138719.pdf?src-supplier=Farnell, ComponentLink3Description=https://datasheet.ciiva.com/43460/1678796-43460648.pdf?src-supplier=Farnell, ComponentLink3URL=https://datasheet.ciiva.com/43460/1678796-43460648.pdf?src-supplier=Farnell, ComponentLink4Description=https://datasheet.ciiva.com/9117/aoa0000ce1-9117101.pdf?src-supplier=Avnet, ComponentLink4URL=https://datasheet.ciiva.com/9117/aoa0000ce1-9117101.pdf?src-supplier=Avnet, ComponentLink5Description=https://datasheet.ciiva.com/27055/1988567-27055708.pdf?src-supplier=Jameco, ComponentLink5URL=https://datasheet.ciiva.com/27055/1988567-27055708.pdf?src-supplier=Jameco, ComponentLink6Description=https://datasheet.ciiva.com/30244/4aoa0000ce1-30244602.pdf?src-supplier=Onlinecomponents.com, ComponentLink6URL=https://datasheet.ciiva.com/30244/4aoa0000ce1-30244602.pdf?src-supplier=Onlinecomponents.com, ComponentLink7Description=https://datasheet.ciiva.com/28547/1678796-28547208.pdf?src-supplier=Element14, ComponentLink7URL=https://datasheet.ciiva.com/28547/1678796-28547208.pdf?src-supplier=Element14, ComponentLink8Description=https://datasheet.ciiva.com/28691/1678796-28691949.pdf?src-supplier=Element14, ComponentLink8URL=https://datasheet.ciiva.com/28691/1678796-28691949.pdf?src-supplier=Element14, ComponentLink9Description=https://datasheet.ciiva.com/16761/70255313-16761183.pdf?src-supplier=Allied+Electronics, ComponentLink9URL=https://datasheet.ciiva.com/16761/70255313-16761183.pdf?src-supplier=Allied+Electronics, ComponentLink10Description=https://datasheet.ciiva.com/16784/70255313-16784679.pdf?src-supplier=Allied+Electronics, ComponentLink10URL=https://datasheet.ciiva.com/16784/70255313-16784679.pdf?src-supplier=Allied+Electronics, Construction=Rectangular, Contact Plating=Tin, Datasheet Link=http://docs-europe.electrocomponents.com/webdocs/13ba/0900766b813ba21b.pdf, Depth=0.8mm, Features="Automotive AEC-Q200", Height=0.55mm, Lead Free="Lead Free", Length=1.6mm, Manufacturer Part Number=ERJ-3GEYJ1R0V, Manufacturer_Name=Panasonic, Manufacturer_Part_Number=ERJ-3GEYJ1R0V, Military Standard=Not, Mounting Technology="Surface Mount", Mouser Price/Stock=https://www.mouser.co.uk/ProductDetail/Panasonic/ERJ-3GEYJ1R0V?qs=iBwFsHVUAOehrcsQVhVEKg%3D%3D, Number of Terminations=2, Packaging="Tape and Reel", Power Rating=100mW, Pricing="1=0.1, 10=0.033, 50=0.02, 100=0.0165, 500=0.01096, 1000=0.00939 (USD)", Radiation Hardening=No, Reach SVHC Compliant=No, RoHS=Yes, RoHS Compliant=Yes, Series=ERJ, Stock=374695, Supplier=Digikey, Technology="THICK FILM", Termination=SMD/SMT, Tolerance=5%, Width=0.8mm
R149: library part RT0603BRD0710K4L, "10.4kOhm 0.1% High Precision-High Stability Chip Resistor Thin Film 0603  Paper T/R", Case/Package=0603, Manufacturer=Yageo, Max Operating Temperature=155°C, Max Power Dissipation=100mW, Min Operating Temperature=-55°C, Package=None, Supplier Part Number=13-RT0603BRD0710K4LCT-ND, Temperature Coefficient=25ppm/°C, Tolerance=0.1%, Availability=Unavailable, Category="Chip SMD Resistors", ComponentLink1Description=https://datasheet.octopart.com/RT0603BRD0710K4L-Yageo-datasheet-169971040.pdf?src-supplier=Future+Electronics, ComponentLink1URL=https://datasheet.octopart.com/RT0603BRD0710K4L-Yageo-datasheet-169971040.pdf?src-supplier=Future+Electronics, ComponentLink2Description=http://www.yageo.com/documents/recent/PYu-RT_1-to-0.01_RoHS_L_9.pdf?src-supplier=Digikey, ComponentLink2URL=http://www.yageo.com/documents/recent/PYu-RT_1-to-0.01_RoHS_L_9.pdf?src-supplier=Digikey, Manufacturer Part Number=RT0603BRD0710K4L, MP=RT0603BRD0710K4L, Number of Terminations=2, Packaging="Tape and Reel", Price=None, Pricing="1=0.14, 10=0.108, 50=0.0868, 100=0.0775, 500=0.06018, 1000=0.05202 (USD)", RoHS=Yes, RoHS Compliant=Yes, Series=RT, Stock=17618, Supplier=Digikey
R150: library part CRCW040250K0FKED, "50 kΩ  Tolerance: 1.0%  Power: 63 mW  Package:0402", Manufacturer_Name=Vishay, Mouser Part Number=71-CRCW0402-50K-E3, Datasheet Link=http://www.vishay.com/docs/20035/dcrcwe3.pdf, Height=0.4mm, Manufacturer_Part_Number=CRCW040250K0FKED, Mouser Price/Stock=https://www.mouser.co.uk/ProductDetail/Vishay-Dale/CRCW040250K0FKED?qs=ZTJSYgkXUA0CX%252BZe0ESa5A%3D%3D
R151: library part CRCW040231K6FKED, "31.6 kΩ  Tolerance: 1.0%  Power: 63 mW", Manufacturer_Name=Vishay, Mouser Part Number=71-CRCW0402-31.6K-E3, Datasheet Link=http://www.vishay.com/docs/20035/dcrcwe3.pdf, Height=0.4mm, Manufacturer_Part_Number=CRCW040231K6FKED, Mouser Price/Stock=https://www.mouser.co.uk/ProductDetail/Vishay-Dale/CRCW040231K6FKED?qs=TNtMkGKFKOwWly94NvOrvQ%3D%3D
R152: library part CRCW040254K9FKED, "54.9 kΩ  Tolerance: 1.0%  Power: 63 mW  PAckage:0402", Manufacturer_Name=Vishay, Mouser Part Number=71-CRCW0402-54.9K-E3, Arrow Part Number=CRCW040254K9FKED, Arrow Price/Stock=https://www.arrow.com/en/products/crcw040254k9fked/vishay, Datasheet Link=http://www.vishay.com/docs/20035/dcrcwe3.pdf, Height=0.4mm, Manufacturer_Part_Number=CRCW040254K9FKED, Mouser Price/Stock=https://www.mouser.co.uk/ProductDetail/Vishay-Dale/CRCW040254K9FKED?qs=hAuyw6LW%252BLi3%2FhCT%2FKiiLw%3D%3D
R153: library part ERJ-3EKF6653V, "665 kOhm, ± 1%, 100 mW, 0603 [1608 Metric], Thick Film, Precision", Case Code (Imperial)=0603, Case Code (Metric)=1608, Manufacturer=Panasonic, Max Operating Temperature=155°C, Max Power Dissipation=100mW, Min Operating Temperature=-55°C, Package Quantity=5000, Resistance Tolerance=1%, Resistor Type="Thick Film", Supplier Part Number=P665KHCT-ND, Temperature Coefficient=100ppm/°C, Voltage Rating=75V, Voltage Rating (DC)=50V, Case/Package=0603, Category="Chip SMD Resistors", ComponentLink1Description=https://datasheet.ciiva.com/9180/aoa0000ce2-9180543.pdf?src-supplier=Avnet, ComponentLink1URL=https://datasheet.ciiva.com/9180/aoa0000ce2-9180543.pdf?src-supplier=Avnet, ComponentLink2Description=https://datasheet.ciiva.com/7754/1678782-7754015.pdf?src-supplier=Element14, ComponentLink2URL=https://datasheet.ciiva.com/7754/1678782-7754015.pdf?src-supplier=Element14, ComponentLink3Description=https://datasheet.ciiva.com/22668/1678782-22668429.pdf?src-supplier=Element14, ComponentLink3URL=https://datasheet.ciiva.com/22668/1678782-22668429.pdf?src-supplier=Element14, ComponentLink4Description=https://datasheet.ciiva.com/46420/1678782-46420005.pdf?src-supplier=Element14, ComponentLink4URL=https://datasheet.ciiva.com/46420/1678782-46420005.pdf?src-supplier=Element14, Construction=Rectangular, Contact Plating=Tin, Depth=0.8mm, Features="Automotive AEC-Q200", Height=0.022inch, Length=1.6mm, Manufacturer Part Number=ERJ-3EKF6653V, Mfr_Name=Panasonic, Military Standard=Not, Mounting Technology="Surface Mount", Number of Terminations=2, Packaging="Tape and Reel", Power Rating=100mW, Pricing="1=0.1, 10=0.035, 100=0.0177, 1000=0.01014, 2500=0.00847 (USD)", Reach SVHC Compliant=Yes, RoHS=Yes, RoHS Compliant=Yes, Series=ERJ, Stock=26342, Supplier=Digikey, Termination=SMD/SMT, Tolerance=1%, Width=0.8mm
R154: library part ERJ-3EKF51R1V, "51.1 Ohm 1% 0.1W(1/10W) ±100ppm/C Pad SMD T/R Automotive AEC-Q200", Case Code (Imperial)=0603, Case Code (Metric)=1608, Manufacturer=Panasonic, Max Operating Temperature=155°C, Max Power Dissipation=100mW, Min Operating Temperature=-55°C, Mouser Part Number=667-ERJ-3EKF51R1V, Package Quantity=1, Resistance Tolerance=1%, Resistor Type="Thick Film", Supplier Part Number=P51.1HCT-ND, Temperature Coefficient=100ppm/°C, Voltage Rating=75V, Arrow Part Number=ERJ-3EKF51R1V, Arrow Price/Stock=https://www.arrow.com/en/products/erj-3ekf51r1v/panasonic?region=europe, Case/Package=0603, Category="Chip SMD Resistors", ComponentLink1Description=https://datasheet.ciiva.com/5870/426256-5870807.pdf?src-supplier=Farnell, ComponentLink1URL=https://datasheet.ciiva.com/5870/426256-5870807.pdf?src-supplier=Farnell, ComponentLink2Description=https://datasheet.ciiva.com/9117/aoa0000ce2-9117163.pdf?src-supplier=Avnet, ComponentLink2URL=https://datasheet.ciiva.com/9117/aoa0000ce2-9117163.pdf?src-supplier=Avnet, ComponentLink3Description=https://datasheet.ciiva.com/9188/aoa0000ce2-9188966.pdf?src-supplier=Avnet, ComponentLink3URL=https://datasheet.ciiva.com/9188/aoa0000ce2-9188966.pdf?src-supplier=Avnet, ComponentLink4Description=https://datasheet.ciiva.com/30066/aoa0000ce2-30066071.pdf?src-supplier=Onlinecomponents.com, ComponentLink4URL=https://datasheet.ciiva.com/30066/aoa0000ce2-30066071.pdf?src-supplier=Onlinecomponents.com, ComponentLink5Description=https://datasheet.ciiva.com/16440/aoa0000ce2-16440167.pdf?src-supplier=Future+Electronics, ComponentLink5URL=https://datasheet.ciiva.com/16440/aoa0000ce2-16440167.pdf?src-supplier=Future+Electronics, ComponentLink6Description=https://datasheet.ciiva.com/16782/70260748-16782813.pdf?src-supplier=Allied+Electronics, ComponentLink6URL=https://datasheet.ciiva.com/16782/70260748-16782813.pdf?src-supplier=Allied+Electronics, ComponentLink7Description=https://datasheet.ciiva.com/46377/426256-46377438.pdf?src-supplier=Element14, ComponentLink7URL=https://datasheet.ciiva.com/46377/426256-46377438.pdf?src-supplier=Element14, Construction=Rectangular, Contact Plating=Tin, Datasheet Link=http://industrial.panasonic.com/cdbs/www-data/pdf/RDA0000/AOA0000C86.pdf, Depth=0.8mm, Features="Automotive AEC-Q200", Height=0.55mm, Length=1.6mm, Manufacturer Part Number=ERJ-3EKF51R1V, Manufacturer_Name=Panasonic, Manufacturer_Part_Number=ERJ-3EKF51R1V, Military Standard=Not, Mounting Technology="Surface Mount", Mouser Price/Stock=https://www.mouser.com/Search/Refine.aspx?Keyword=667-ERJ-3EKF51R1V, Number of Terminations=2, Packaging="Tape and Reel", Power Rating=100mW, Pricing="1=0.1, 10=0.035, 100=0.0177, 1000=0.01014, 2500=0.00888 (USD)", Radiation Hardening=No, Reach SVHC Compliant=No, RoHS=Yes, RoHS Compliant=Yes, Series=ERJ, Stock=86452, Supplier=Digikey, Technology="THICK FILM", Termination=SMD/SMT, Tolerance=1%, Width=0.8mm
R155: library part ERJ-3EKF1303V, "130K Ohm 1% 0.1W Res Thick Film 0603 ±100ppm/°C Molded SMD Punched Carrier T/R", Case Code (Imperial)=0603, Case Code (Metric)=1608, Manufacturer=Panasonic, Max Operating Temperature=155°C, Max Power Dissipation=100mW, Min Operating Temperature=-55°C, Package Quantity=1, Resistance Tolerance=1%, Resistor Type="Thick Film", Supplier Part Number=P130KHCT-ND, Temperature Coefficient=100ppm/°C, Voltage Rating=75V, Voltage Rating (DC)=50V, Case/Package=0603, Category="Chip SMD Resistors", ComponentLink1Description=https://datasheet.ciiva.com/5915/426256-5915291.pdf?src-supplier=Farnell, ComponentLink1URL=https://datasheet.ciiva.com/5915/426256-5915291.pdf?src-supplier=Farnell, ComponentLink2Description=https://datasheet.ciiva.com/5915/426256-5915292.pdf?src-supplier=Farnell, ComponentLink2URL=https://datasheet.ciiva.com/5915/426256-5915292.pdf?src-supplier=Farnell, ComponentLink3Description=https://datasheet.ciiva.com/28515/1678782-28515237.pdf?src-supplier=Element14, ComponentLink3URL=https://datasheet.ciiva.com/28515/1678782-28515237.pdf?src-supplier=Element14, ComponentLink4Description=https://datasheet.ciiva.com/28665/1678782-28665400.pdf?src-supplier=Element14, ComponentLink4URL=https://datasheet.ciiva.com/28665/1678782-28665400.pdf?src-supplier=Element14, ComponentLink5Description=https://datasheet.ciiva.com/24070/aoa0000ce2-24070047.pdf?src-supplier=Mouser, ComponentLink5URL=https://datasheet.ciiva.com/24070/aoa0000ce2-24070047.pdf?src-supplier=Mouser, ComponentLink6Description=https://datasheet.ciiva.com/16788/70260748-16788063.pdf?src-supplier=Allied+Electronics, ComponentLink6URL=https://datasheet.ciiva.com/16788/70260748-16788063.pdf?src-supplier=Allied+Electronics, ComponentLink7Description=https://datasheet.ciiva.com/7795/426256-7795210.pdf?src-supplier=Element14, ComponentLink7URL=https://datasheet.ciiva.com/7795/426256-7795210.pdf?src-supplier=Element14, Construction=Rectangular, Contact Plating=Tin, Depth=0.8mm, Features="Automotive AEC-Q200", Height=0.45mm, Lead Free="Lead Free", Length=1.6mm, Manufacturer Part Number=ERJ-3EKF1303V, Mfr_Name=Panasonic, Military Standard=Not, Mounting Technology="Surface Mount", Number of Terminations=2, Packaging="Tape and Reel", Power Rating=100mW, Pricing="1=0.1, 10=0.035, 100=0.0177, 1000=0.01014, 2500=0.00847 (USD)", Reach SVHC Compliant=No, RoHS=Yes, RoHS Compliant=Yes, Series=ERJ, Stock=107191, Supplier=Digikey, Technology="THICK FILM", Termination=SMD/SMT, Tolerance=1%, Width=0.8mm